# Altium PCB MotherBoard.PcbDoc (part 1 of 10) (continued)
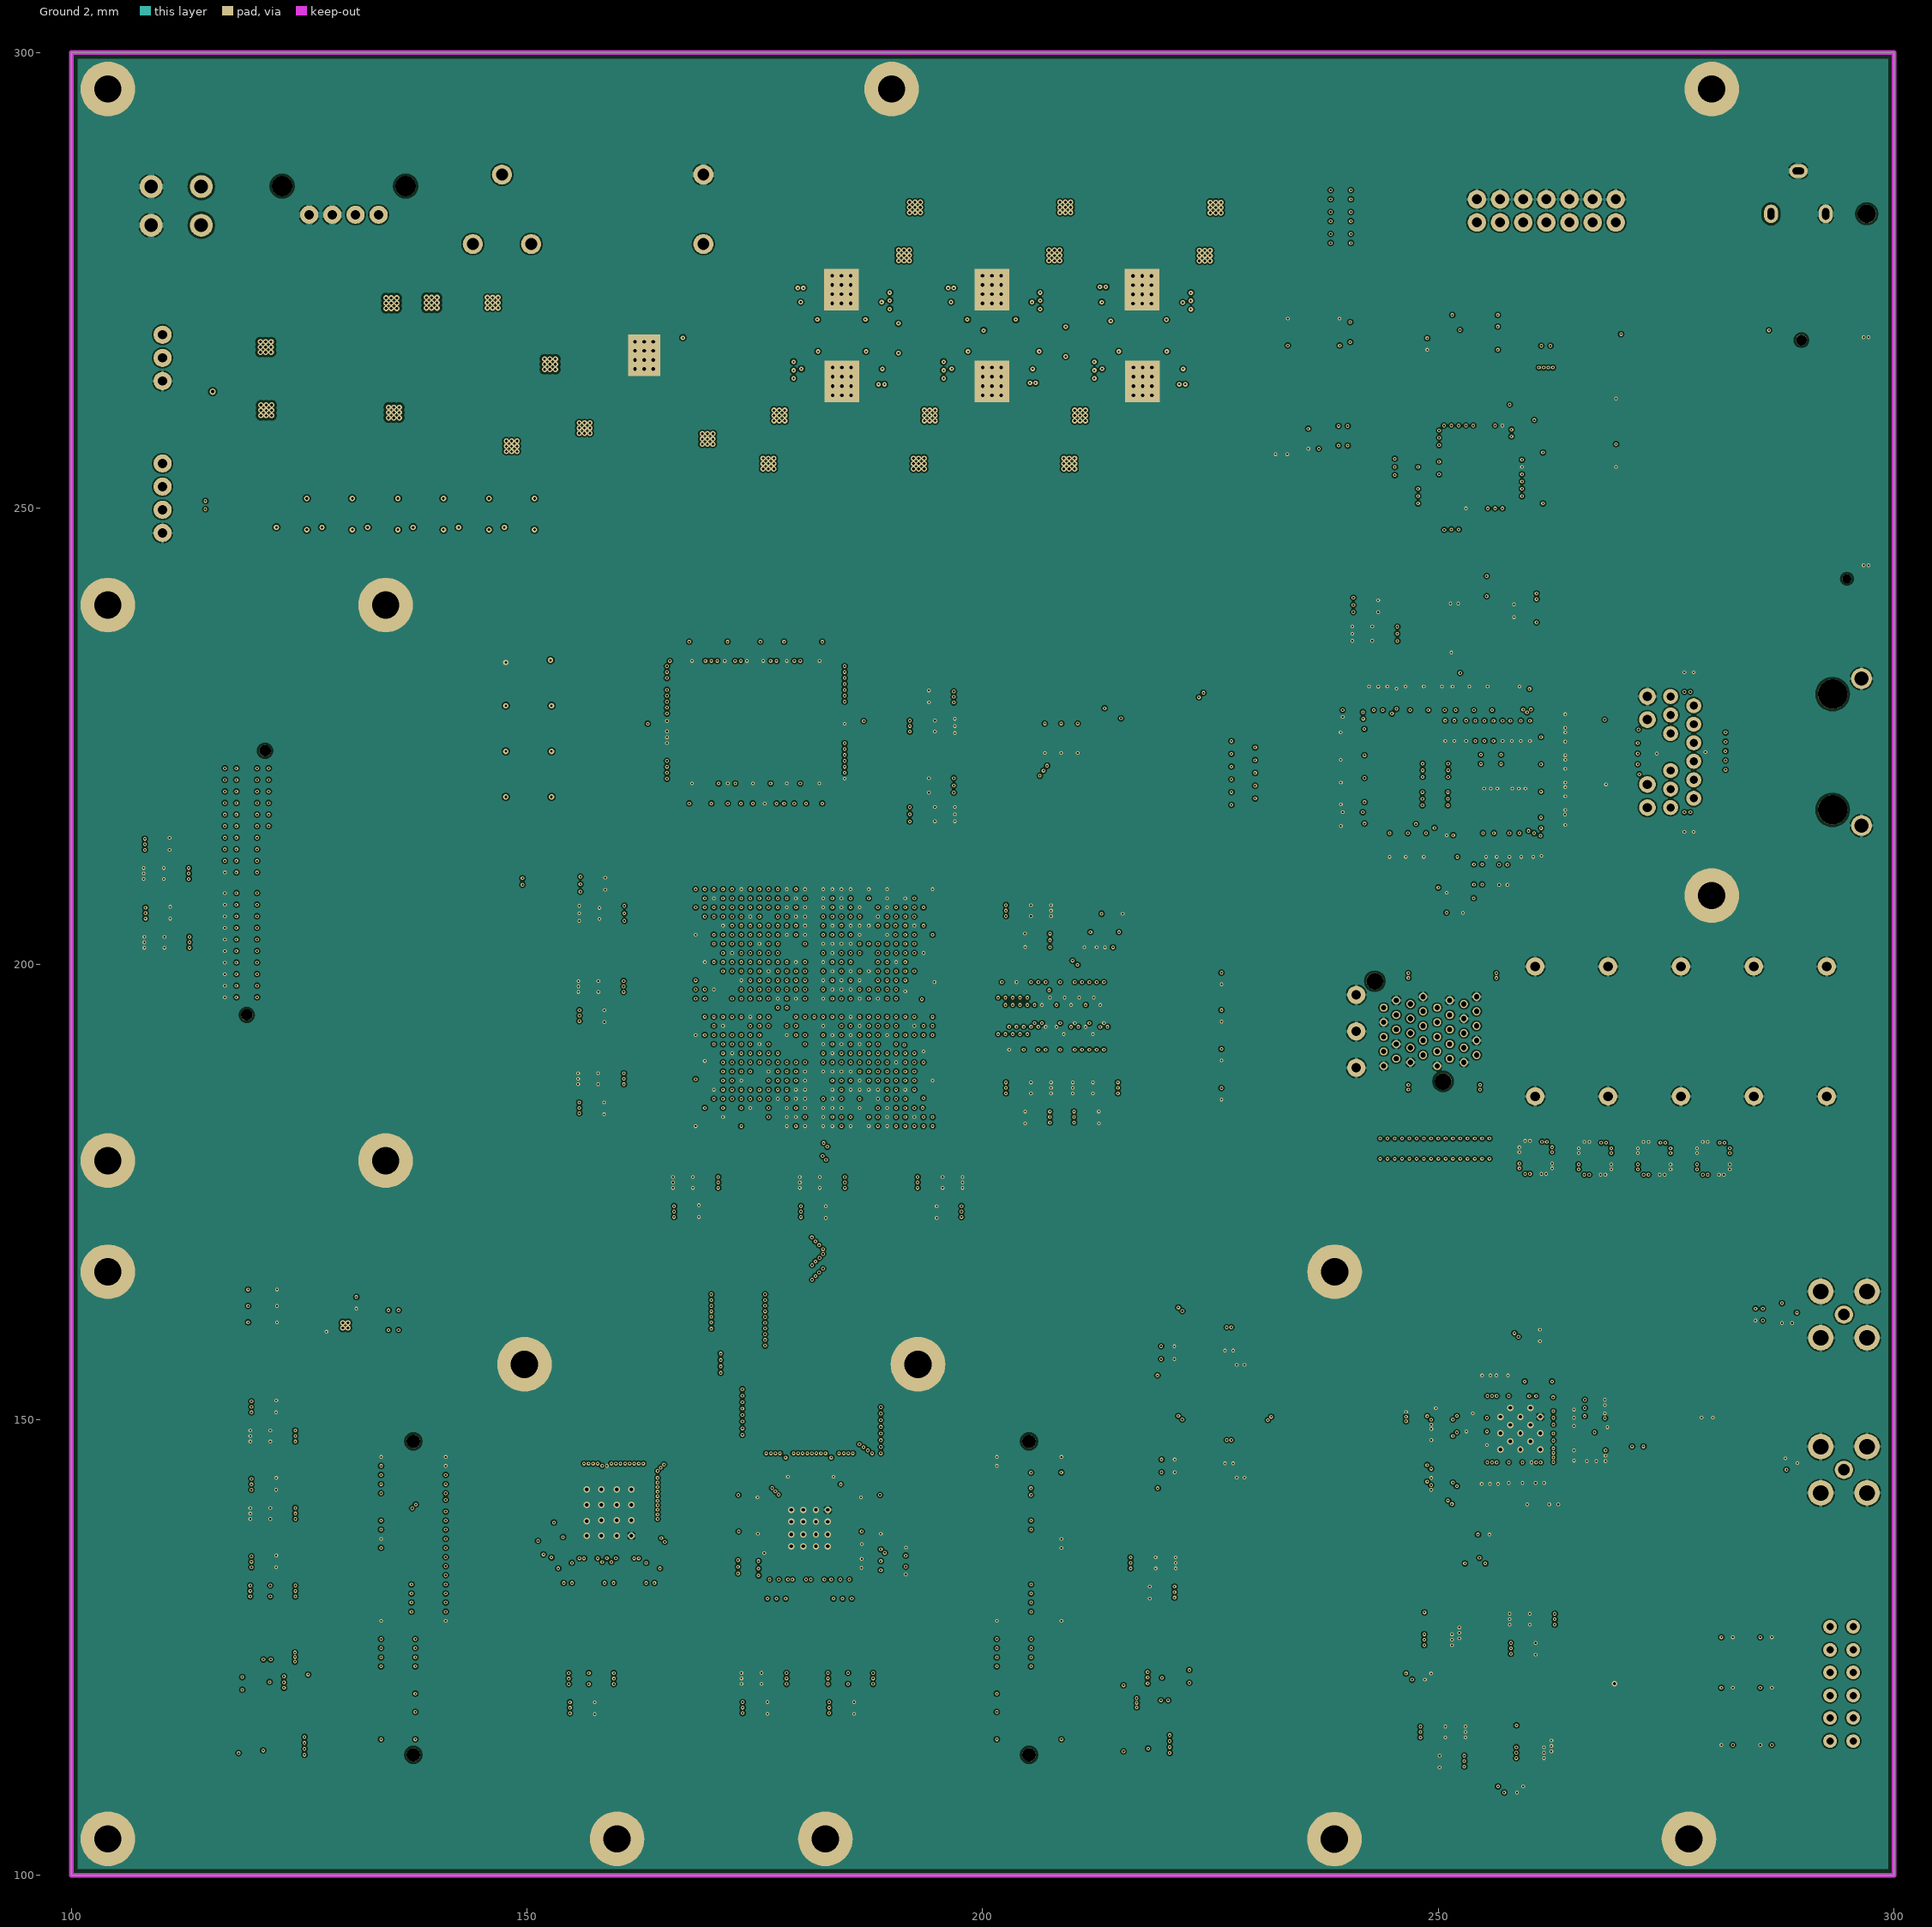
[diagram p7: Ground 2]

## Layer stack, top to bottom
Top Solder: solder mask 0.01, FSR-8000 BLUE, Dk 3.5
Top Layer: signal copper 0.018
Prepreg 1: prepreg 0.15, Dk 4.2
Ground: signal copper 0.018
Core 1: core 0.25, FR-4 18/18, Dk 4.6
Signal Layer 1: signal copper 0.018
Prepreg 2: prepreg 0.15, Dk 4.2
Power: signal copper 0.018
Core 2: core 0.25, FR-4 18/18, Dk 4.6
Power 2: signal copper 0.018
Prepreg 3: prepreg 0.15, Dk 4.2
Signal Layer 2: signal copper 0.018
Core 3: core 0.25, FR-4 18/18, Dk 4.6
Ground 2: signal copper 0.018
Prepreg 4: prepreg 0.15, Dk 4.2
Bottom Layer: signal copper 0.018
Bottom Solder: solder mask 0.01, FSR-8000 BLUE, Dk 3.5

## Board outline
100,100 100,300 300,300 300,100

## Design rules (kind name [scope] priority, off if disabled: settings)
Clearance Not_Plated_Pad [(PadIsPlated = 'false') And OnMultiLayer] p1: gap=0.25
Clearance HV [InNetClass('HV')] p2: gap=0.25
Clearance [All] p3: gap=0.1 except(0.15: Arc-Poly Track-Poly SMDPad-Poly THPad-Poly Via-Poly Fill-Poly Poly-Poly)
DiffPairsRouting [All] p1: maxlimit=0.2 minlimit=0.1 mostfreqgap=0.12 toplayer_maxgap=0.15 toplayer_prefgap=0.1 toplayer_minwidth=0.1 toplayer_maxwidth=0.25 toplayer_prefwidth=0.15 midlayer1_minwidth=0.1 midlayer1_maxwidth=0.25 midlayer1_prefwidth=0.13 midlayer2_minwidth=0.1 midlayer2_maxwidth=0.25 midlayer2_prefwidth=0.13 midlayer3_minwidth=0.1 midlayer3_maxwidth=0.25 midlayer3_prefwidth=0.13 midlayer4_maxgap=0.15 midlayer4_prefgap=0.1 midlayer4_minwidth=0.1 midlayer4_maxwidth=0.25 midlayer4_prefwidth=0.15 midlayer5_maxgap=0.15 midlayer5_prefgap=0.1 midlayer5_minwidth=0.1 midlayer5_maxwidth=0.25 midlayer5_prefwidth=0.15 midlayer6_minwidth=0.1 midlayer6_maxwidth=0.25 midlayer6_prefwidth=0.13 bottomlayer_maxgap=0.15 bottomlayer_prefgap=0.1 bottomlayer_minwidth=0.1 bottomlayer_maxwidth=0.25 bottomlayer_prefwidth=0.15 maxuncoupledlength=6
FanoutControl Fanout_Default [All] p5: bgadir=In bgaviamode=Closest fanoutstyle=Auto fanoutdirection=Alternating viagrid=0.025 // Fanout_Default (Default Rule)
HoleSize [All] p1: absolutevalues=TRUE maxlimit=3.5 minlimit=0.025 maxpercent=80.000 minpercent=20.000
MinimumSolderMaskSliver [All] p1: minsoldermaskwidth=0.15
PlaneConnect [All] p1: planeconnectstyle=Relief reliefexpansion=0.508 reliefentries=4 reliefconductorwidth=0.254 reliefairgap=0.15
PolygonConnect "Step_Down Converters" [InPadClass('Termopad')] p1: connectstyle=Direct reliefconductorwidth=0.254 reliefentries=4 polygonreliefangle="90 Angle" airgapwidth=0
PolygonConnect GND_TOP_BOTTOM [InPolygonClass('Shield')] p2: connectstyle=Relief reliefconductorwidth=0 reliefentries=4 polygonreliefangle="90 Angle" airgapwidth=0.15
PolygonConnect Via [IsVia] p3: connectstyle=Direct reliefconductorwidth=0.254 reliefentries=4 polygonreliefangle="90 Angle" airgapwidth=0.254
PolygonConnect RAM_GND [InComponent('RAM1')] p4: connectstyle=Relief reliefconductorwidth=0.18 reliefentries=4 polygonreliefangle="45 Angle" airgapwidth=0.15
PolygonConnect FPGA_GND [InComponent('FPGA1')] p5: connectstyle=Relief reliefconductorwidth=0.18 reliefentries=4 polygonreliefangle="45 Angle" airgapwidth=0.15
PolygonConnect Power_Poly_1210 [(HasFootprint('C1206') OR HasFootprint('C1210') OR HasFootprint('2x2 PWR_HDR') OR HasFootprint('Coilcraft MSS1038') OR HasFootprint('Coilcraft MSS1048') OR HasFootprint('DC_CONNECTOR') OR HasFootprint('Diode_SMC') OR HasFootprint('Fuse') OR HasFootprint('G6RL') OR HasFootprint('H-DAC 64') OR HasFootprint('L1206_Murata') OR HasFootprint('L1210_Murata') OR HasFootprint('L1210_Murata LQH') OR HasFootprint('Tantalum_D')OR HasFootprint('XAL6060-223'))] p6: connectstyle=Relief reliefconductorwidth=0.72 reliefentries=4 polygonreliefangle="90 Angle" airgapwidth=0.15
PolygonConnect SFP_VCC [InPolygonClass('SFP_VCC')] p7: connectstyle=Direct reliefconductorwidth=0.254 reliefentries=4 polygonreliefangle="90 Angle" airgapwidth=0.254
PolygonConnect [(HasFootprint('R0402') OR HasFootprint('R0402_Switch') OR HasFootprint('С0402'))] p8: connectstyle=Relief reliefconductorwidth=0.254 reliefentries=4 polygonreliefangle="90 Angle" airgapwidth=0.15
PolygonConnect Power_Poly [All] p9: connectstyle=Relief reliefconductorwidth=0.35 reliefentries=4 polygonreliefangle="90 Angle" airgapwidth=0.15
RoutingVias Power_Via [InNetClass('Power')] p1: holewidth=0.2 width=0.5 viastyle="Through Hole" minholewidth=0.2 minwidth=0.4 maxholewidth=1.5 maxwidth=3.5
RoutingVias [All] p2: holewidth=0.2 width=0.5 viastyle="Through Hole" minholewidth=0.2 minwidth=0.4 maxholewidth=0.5 maxwidth=0.8
SilkToSilkClearance [All] p1: silktosilkclearance=0.1
SilkToSolderMaskClearance [IsPad] p1: minsilkscreentomaskgap=0 clearancetoexposedcopper=TRUE
SolderMaskExpansion [All] p1: expansion=0.025
Width "Schematic Width Constraint_4" [InComponent('J1')] p1: maxlimit=1.5 minlimit=0.254 preferedwidth=0.254 midlayer5_maxwidth=0.5 midlayer6_maxwidth=0.5 minimp=50.000000 maximp=50.000000 favimp=50.000000
Width "Schematic Width Constraint_3" [InComponent('J2')] p2: maxlimit=1.5 minlimit=0.254 preferedwidth=0.254 midlayer5_maxwidth=0.5 midlayer6_maxwidth=0.5 minimp=50.000000 maximp=50.000000 favimp=50.000000
Width "Schematic Width Constraint_1" [InComponent('J4')] p3: maxlimit=1.5 minlimit=0.254 preferedwidth=0.254 midlayer5_maxwidth=0.5 midlayer6_maxwidth=0.5 minimp=50.000000 maximp=50.000000 favimp=50.000000
Width Power_W [InNetClass('Power')] p4: maxlimit=3.5 minlimit=0.15 preferedwidth=0.35 minimp=50.000000 maximp=50.000000 favimp=50.000000
Width [All] p5: maxlimit=0.25 minlimit=0.1 preferedwidth=0.15 minimp=50.000000 maximp=50.000000 favimp=50.000000
23 further rules are at their usual default settings.

## Classes and differential pairs
net class HV: NetC1_2 NetC2_1 NetC12_1 NetD1_1 V_UNREG
polygon class SFP_VCC: SFP_VCC
polygon class Shield: GND_BOTTOM GND_TOP
net class Power: 1V0 1V0_FPGA 1V2 1V8 1V8_AUX 1V8_ETH 1V8_ETH_A 1V8_FPGA 2V5 2V5_ETH 2V5_ETH_A 3V3 3V3_GPIO 3V3_MGT 3V3_SFP+_CLK 5V 5V_EXT 5V_GPIO 5V_RX 5V_TX AGND_ADC AGND_RX AGND_TX AVDD_3V3 AVDD_ADC AVDD_RX AVDD_TX DVDD_ADC DVDD_CLK DVDD_FPGA DVDD_RAM DVDD_RX DVDD_TX GND GND_XADC MGTAVCC_G10 MGTAVCC_G11 MGTAVTT_G10 MGTAVTT_G11 NetC1_2 NetC2_1 NetC5_1 NetC8_1 NetC9_2 NetC10_1 NetC11_1 NetC12_1 NetC14_1 NetC15_2 NetC16_2 NetC17_2 NetC25_1 NetC28_1 NetC29_2 NetC30_1 NetC30_2 NetC31_1 NetC32_1 NetC33_1 NetC34_1 NetC35_2 NetC36_2 NetC37_2 NetC48_2 NetC49_2 NetC54_1 NetC55_1 NetC63_1 NetC66_1 NetC67_2 NetC175_2 NetC176_2 NetC234_2 NetC235_2 NetC275_2 NetC425_1 NetD1_1 NetD4_1 NetIC1_2 NetIC1_4 NetIC1_8 NetIC1_16 NetIC2_1 NetIC2_2 NetIC2_4 NetIC2_8 NetIC3_1 NetIC3_4 NetIC3_5 NetIC4_2 NetIC4_4 NetIC4_8 NetIC4_16 NetIC5_1 NetIC5_2 NetIC5_4 NetIC5_8 NetIC7_1 NetIC7_2 NetIC7_4 NetIC7_8 NetIC7_16 NetIC8_2 NetIC8_4 NetIC8_8 NetIC17_58 NetIC17_62 NetPHY1_102 PG1V0 PG1V2 PG1V8 PG2V5 PG3V3 PG3V3_MGT SFP1_VCCRX SFP1_VCCTX SFP2_VCCRX SFP2_VCCTX SFP+_CLK_VCC V_UNREG VCC_XADC VREF0V9
pad class Termopad: C3-1 C3-2 C4-1 C4-2 C23-1 C23-2 C24-1 C24-2 C43-1 C43-2 C44-1 C44-2 IC1-6 IC1-8 IC1-10 IC1-15 IC1-17 IC2-6 IC2-8 IC2-10 IC2-15 IC2-17 IC3-6 IC3-9 IC4-6 IC4-8 IC4-10 IC4-15 IC4-17 IC5-6 IC5-8 IC5-10 IC5-15 IC5-17 IC6-3 IC7-6 IC7-8 IC7-10 IC7-15 IC7-17 IC8-6 IC8-8 IC8-10 IC8-15 IC8-17 IC19-3 L2-1 L3-1 L5-1 L6-1 L9-1 L10-1 M1-0 M2-0 M3-0 M4-0 M5-0 XC4-0 XC8-0
differential pair CLK_ADC: +CLK_ADC_P -CLK_ADC_N
differential pair ADC_CLK_OUT: +ADC_CLK_OUT_P -ADC_CLK_OUT_N
differential pair DDR_UDQS: +DDR_UDQS_P -DDR_UDQS_N
differential pair DDR_LDQS: +DDR_LDQS_P -DDR_LDQS_N
differential pair DDR_CK: +DDR_CK_P -DDR_CK_N
differential pair SFP2_TX: +SFP2_TX_P -SFP2_TX_N
differential pair SFP2_RX: +SFP2_RX_P -SFP2_RX_N
differential pair SFP1_TX: +SFP1_TX_P -SFP1_TX_N
differential pair SFP1_RX: +SFP1_RX_P -SFP1_RX_N
differential pair CLOCK_TX: +CLOCK_TX_P -CLOCK_TX_N
differential pair CLOCK_RX: +CLOCK_RX_P -CLOCK_RX_N
differential pair CLK_TEST: +CLK_TEST_P -CLK_TEST_N
differential pair CLK_FPGA: +CLK_FPGA_P -CLK_FPGA_N
differential pair MDIA: +MDIA_P -MDIA_N
differential pair MDIB: +MDIB_P -MDIB_N
differential pair MDIC: +MDIC_P -MDIC_N
differential pair MDID: +MDID_P -MDID_N
differential pair CLK_DAC: +CLK_DAC_P -CLK_DAC_N
differential pair VINA: +VINA_P -VINA_N
differential pair VINB: +VINB_P -VINB_N
differential pair IOUTA: +IOUTA_P -IOUTA_N
differential pair IOUTB: +IOUTB_P -IOUTB_N
differential pair CLK_125MHZ: +CLK_125MHZ_P -CLK_125MHZ_N
differential pair CLK_156.25MHZ: +CLK_156.25MHZ_P -CLK_156.25MHZ_N
differential pair CPRI_CLK_CLEAN: +CPRI_CLK_CLEAN_P -CPRI_CLK_CLEAN_N

## Components (designator, comment, footprint, x,y, rotation, side; value= is the part's Value field where it differs from the comment)
C1 "Cap" C0805 289.55,279.45 r180 bottom
C2 "Cap" C0805 111.5,278.05 r180 bottom
C3 "Cap" C0805 189.448,275.714 r90 top
C4 "Cap" C0805 179.6,262.2 r270 top
C5 "Cap" C0603 187.548,275.414 r270 bottom
C6 "Cap" C1210 187.248,278.614 r180 bottom
C7 "Cap" C1210 181.8,259.3 r0 bottom
C8 "Cap" C0603 181.5,262.5 r90 bottom
C9 "Cap" C0603 181.448,272.614 r270 bottom
C10 "Cap" C0603 187.6,265.3 r270 bottom
C11 "Cap" C0805 114.5,265.1 r270 bottom
C12 "Tantalum Cap" Tantalum_D 139.551,264.323 r270 bottom
C13 "Cap" C0805 112.5,265.1 r270 bottom
C14 "Cap" C0805 169.35,282.8 r90 bottom locked
C15 "Cap" C0603 185.248,270.714 r0 bottom
C16 "Cap" C0603 181.448,275.414 r270 bottom
C17 "Cap" C0603 187.6,262.5 r90 bottom
C18 "Cap" C1206 155.34,267.402 r90 bottom
C19 "Cap" C1210 187.248,281.714 r180 bottom
C20 "Cap" C1210 181.8,256.2 r0 bottom
C21 "Cap" C1206 157.753,267.402 r90 bottom
C22 "Cap" C1206 155.34,267.402 r90 top
C23 "Cap" C0805 196.1,262.2 r270 top
C24 "Cap" C0805 212.6,262.2 r90 top
C25 "Cap" C0603 198,262.5 r90 bottom
C26 "Cap" C1210 198.3,259.3 r0 bottom
C27 "Cap" C1210 214.8,259.3 r0 bottom
C28 "Cap" C0603 214.5,262.5 r90 bottom
C29 "Cap" C0805 164.103,259.782 r270 bottom
C30 "Cap" C0805 160.674,262.576 r180 top
C31 "Cap" C0603 204.1,265.3 r270 bottom
C32 "Cap" C0603 220.6,265.3 r270 bottom
C33 "Cap" C0603 200.3,267.2 r0 bottom
C34 "Cap" C1210 166.77,259.02 r90 bottom
C35 "Cap" C0603 204.1,262.5 r90 bottom
C36 "Cap" C0603 220.6,262.5 r90 bottom
C37 "Cap" C1210 146.325,266.75 r90 bottom
C38 "Cap" C1210 198.3,256.2 r180 bottom
C39 "Cap" C1210 214.8,256.2 r180 bottom
C40 "Cap" C0603 257.95,109.675 r0 bottom
C41 "Cap" C0603 195.45,230 r180 bottom
C42 "Cap" C0603 181.425,173.525 r0 bottom
C43 "Cap" C0805 205.948,275.714 r90 top
C44 "Cap" C0805 222.448,275.689 r90 top
C45 "Cap" C0603 257.95,109.675 r0 top
C46 "Cap" C0603 195.45,228.6 r180 bottom
C47 "Cap" C0603 181.425,172.125 r0 bottom
C48 "Cap" C0603 204.048,275.414 r90 bottom
C49 "Cap" C0603 220.548,275.389 r90 bottom
C50 "Cap" C1210 203.748,278.614 r180 bottom
C51 "Cap" C1210 220.248,278.589 r180 bottom
C52 "Cap" C0603 193.375,226.8 r0 bottom
C53 "Cap" C0603 183.5,176.725 r180 bottom
C54 "Cap" C0603 197.948,272.614 r90 bottom
C55 "Cap" C0603 214.448,272.589 r90 bottom
C56 "Cap" C0603 193.375,225.4 r0 bottom
C57 "Cap" C0603 183.5,175.325 r180 bottom
C58 "Cap" C1210 259.125,113.45 r0 bottom
C59 "Cap" C1210 194.475,226.1 r0 top
C60 "Cap" C1210 182.4,176.025 r180 top
C61 "Cap" C0603 195.45,218.875 r0 bottom
C62 "Cap" C0603 196.299,172.125 r0 bottom
C63 "Cap" C0603 218.248,270.689 r180 bottom
C64 "Cap" C0603 195.45,220.275 r0 bottom
C65 "Cap" C0603 196.299,173.525 r180 bottom
C66 "Cap" C0603 197.948,275.414 r90 bottom
C67 "Cap" C0603 214.448,275.389 r270 bottom
C68 "Cap" C0603 193.375,215.725 r0 bottom
C69 "Cap" C0603 194.224,175.325 r0 bottom
C70 "Cap" C1210 203.748,281.714 r0 bottom
C71 "Cap" C1210 220.248,281.689 r0 bottom
C72 "Cap" C0603 193.375,217.125 r0 bottom
C73 "Cap" C0603 194.224,176.725 r0 bottom
C74 "Cap" C1210 194.475,216.425 r0 top
C75 "Cap" C1210 195.324,176.025 r0 top
C76 "Cap" С0402 169.5,202.7 r0 bottom
C77 "Cap" С0402 174.5,207.7 r180 bottom
C78 "Cap" С0402 169.5,207.7 r0 bottom
C79 "Cap" С0402 177.5,203.7 r0 bottom
C80 "Cap" С0402 172.5,192.7 r180 bottom
C81 "Cap" С0402 179.5,202.7 r180 bottom
C82 "Cap" С0402 171.5,196.7 r180 bottom
C83 "Cap" С0402 170.5,193.7 r0 bottom
C84 "Cap" С0402 176.5,196.7 r0 bottom
C85 "Cap" С0402 169.5,186.7 r180 bottom
C86 "Cap" С0402 172.5,187.7 r180 bottom
C87 "Cap" С0402 176.5,190.7 r0 bottom
C88 "Cap" С0402 184.5,196.7 r180 bottom
C89 "Cap" С0402 182.5,192.7 r0 bottom
C90 "Cap" С0402 184.5,191.7 r180 bottom
C91 "Cap" С0402 182.5,200.7 r0 bottom
C92 "Cap" С0402 184.5,192.7 r180 bottom
C93 "Cap" С0402 184.5,197.7 r180 bottom
C94 "Cap" С0402 173.5,200.7 r0 bottom
C95 "Cap" С0402 173.5,205.7 r0 bottom
C96 "Cap" С0402 174.5,202.7 r0 bottom
C97 "Cap" С0402 178.5,200.7 r0 bottom
C98 "Cap" С0402 170.5,199.7 r180 bottom
C99 "Cap" С0402 185.5,201.7 r180 bottom
C100 "Cap" С0402 169.5,191.7 r180 bottom
C101 "Cap" С0402 170.5,204.7 r0 bottom
C102 "Cap" С0402 169.5,197.7 r0 bottom
C103 "Cap" С0402 179,195.2 r90 bottom
C104 "Cap" С0402 177.5,198.7 r180 bottom
C105 "Cap" С0402 179.5,191.7 r0 bottom
C106 "Cap" С0402 173.5,189.7 r0 bottom
C107 "Cap" С0402 175.5,193.7 r0 bottom
C108 "Cap" С0402 182.5,196.7 r180 bottom
C109 "Cap" С0402 182.5,198.7 r180 bottom
C110 "Cap" С0402 184.5,198.7 r0 bottom
C111 "Cap" С0402 184.5,190.7 r180 bottom
C112 "Cap" С0402 184.5,199.7 r0 bottom
C113 "Cap" С0402 182.5,190.7 r0 bottom
C114 "Cap" С0402 184.5,193.7 r180 bottom
C115 "Cap" С0402 179.5,186.7 r180 bottom
C116 "Cap" С0402 176.5,185.7 r180 bottom
C117 "Cap" С0402 170.5,183.7 r180 bottom
C118 "Cap" С0402 192.5,201.7 r180 bottom
C119 "Cap" С0402 189.5,200.7 r180 bottom
C120 "Cap" С0402 192.5,190.7 r180 bottom
C121 "Cap" С0402 188.5,192.7 r180 bottom
C122 "Cap" С0402 192.5,196.7 r0 bottom
C123 "Cap" С0402 189.5,189.7 r180 bottom
C124 "Cap" С0402 193.5,182.7 r0 bottom
C125 "Cap" С0402 191.5,183.7 r180 bottom
C126 "Cap" С0402 186.5,198.7 r180 bottom
C127 "Cap" С0402 186.5,190.7 r0 bottom
C128 "Cap" С0402 186.5,193.7 r0 bottom
C129 "Cap" С0402 182.5,193.7 r0 bottom
C130 "Cap" С0402 182.5,191.7 r0 bottom
C131 "Cap" С0402 171.5,185.7 r0 bottom
C132 "Cap" С0402 172.5,182.7 r0 bottom
C133 "Cap" С0402 177,184.175 r270 bottom
C134 "Cap" С0402 191.5,204.7 r180 bottom
C135 "Cap" С0402 193.5,203.7 r0 bottom
C136 "Cap" С0402 192.5,206.7 r180 bottom
C137 "Cap" С0402 193.5,198.7 r180 bottom
C138 "Cap" С0402 191.5,193.7 r180 bottom
C139 "Cap" С0402 193.5,192.7 r0 bottom
C140 "Cap" С0402 188.5,198.7 r0 bottom
C141 "Cap" С0402 193.5,187.7 r180 bottom
C142 "Cap" С0402 190.5,186.7 r180 bottom
C143 "Cap" С0402 192.5,185.7 r0 bottom
C144 "Cap" С0402 186.5,196.7 r0 bottom
C145 "Cap" С0402 186.5,192.7 r180 bottom
C146 "Cap" С0402 182.5,197.7 r0 bottom
C147 "Cap" С0402 182.5,199.7 r0 bottom
C148 "Cap" C0603 167.5,173.525 r0 bottom
C149 "Cap" C0603 205.999,182.5 r180 bottom
C150 "Cap" C0603 205.999,201.95 r180 bottom
C151 "Cap" C0603 157.125,195.025 r0 bottom
C152 "Cap" C0603 211.414,183.9 r180 bottom
C153 "Cap" С0402 214.2,205.505 r180 bottom
C154 "Cap" C0603 167.5,172.125 r0 bottom
C155 "Cap" C0603 205.999,183.9 r180 bottom
C156 "Cap" C0603 205.999,203.35 r180 bottom
C157 "Cap" C0603 157.125,193.625 r0 bottom
C158 "Cap" C0603 211.414,182.5 r0 bottom
C159 "Cap" C0603 169.575,176.725 r180 bottom
C160 "Cap" C0603 203.924,185.7 r0 bottom
C161 "Cap" C0603 203.924,205.25 r0 bottom
C162 "Cap" C0603 159.2,198.225 r180 bottom
C163 "Cap" C0603 213.464,187.1 r180 bottom
C164 "Cap" C0603 182.8,195 r0 bottom
C165 "Cap" C0603 169.575,175.325 r180 bottom
C166 "Cap" C0603 203.924,187.1 r0 bottom
C167 "Cap" C0603 203.924,206.45 r0 bottom
C168 "Cap" C0603 159.2,196.825 r180 bottom
C169 "Cap" C0603 213.464,185.7 r180 bottom
C170 "Cap" C1210 168.475,176.025 r0 top
C171 "Cap" C1210 205.024,186.4 r0 top
C172 "Cap" C1210 205.024,205.85 r180 top
C173 "Cap" C1210 158.1,197.525 r0 top
C174 "Cap" C1210 212.364,186.4 r180 top
C175 "Cap" C1210 255.775,218.675 r270 bottom
C176 "Cap" C1210 258.825,218.675 r270 bottom
C177 "Cap" C0603 258.9,213.05 r90 bottom
C178 "Cap" C0603 242.05,240.075 r0 bottom
C179 "Cap" С0402 250.9,206.7 r90 bottom
C180 "Cap" C0603 242.047,238.675 r0 bottom
C181 "Cap" С0402 252.7,206.7 r270 bottom
C182 "Cap" C0603 244.122,236.875 r180 bottom
C184 "Cap" C0603 244.122,235.475 r180 bottom
C186 "Cap" C1210 243.022,236.175 r180 top
C188 "Cap" C0603 259.6,238.05 r180 bottom
C189 "Cap" C0603 259.6,239.45 r0 bottom
C190 "Cap" C0603 256.3,213.05 r90 bottom
C191 "Cap" C0603 255,213.05 r270 bottom
C192 "Cap" C0603 246.65,213.05 r270 bottom
C193 "Cap" C0603 248.65,213.05 r270 bottom
C194 "Cap" C0603 240.6,215.156 r180 bottom
C195 "Cap" C0603 244.65,213.05 r270 bottom
C196 "Cap" C0603 240.6,222.65 r0 bottom
C197 "Cap" C0603 240.575,217.75 r180 bottom
C198 "Cap" C0603 244.15,229.15 r90 bottom
C199 "Cap" C0603 240.6,220.15 r0 bottom
C200 "Cap" С0402 272.9,223.244 r0 bottom
C201 "Cap" C0603 248.65,229.15 r90 bottom
C202 "Cap" C0603 240.57,225.65 r0 bottom
C203 "Cap" С0402 280.4,223.344 r180 bottom
C204 "Cap" C0603 251.775,229.15 r90 bottom
C205 "Cap" C0603 242.65,229.15 r90 bottom
C206 "Cap" C0603 255.65,229.15 r90 bottom
C207 "Cap" C0603 246.65,229.15 r90 bottom
C208 "Cap" C0603 250.5,229.15 r90 bottom
C209 "Cap" C0603 262.6,224.65 r0 bottom
C210 "Cap" C0603 253.65,229.15 r90 bottom
C211 "Cap" C0603 262.6,222.15 r0 bottom
C212 "Cap" C0603 259.15,229.15 r90 bottom
C213 "Cap" C0603 262.6,219.15 r0 bottom
C214 "Cap" C0603 262.575,216.3 r0 bottom
C215 "Cap" C0603 260.2,213.05 r270 bottom
C216 "Cap" C0603 262.6,215.006 r0 bottom
C217 "Cap" C0603 257.6,213.05 r270 bottom
C218 "Cap" С0402 277,230.9 r90 bottom
C219 "Cap" С0402 278,230.9 r90 bottom
C220 "Cap" С0402 278,215.6 r270 bottom
C221 "Cap" С0402 277,215.6 r270 bottom
C222 "Cap" C0603 219.675,130.375 r180 bottom
C223 "Cap" C0603 121.125,152.1 r0 bottom
C224 "Cap" C0603 219.675,131.775 r180 bottom
C225 "Cap" C0603 121.125,150.7 r0 bottom
C226 "Cap" C0603 217.6,133.575 r0 bottom
C227 "Cap" C0603 123.2,148.9 r180 bottom
C228 "Cap" C0603 217.6,134.975 r0 bottom
C229 "Cap" C0603 123.2,147.5 r180 bottom
C230 "Cap" C1210 218.7,134.275 r0 top
C231 "Cap" C1210 122.1,148.2 r180 top
C232 "Cap" C0603 216.75,120.95 r0 bottom
C233 "Cap" C0603 124.675,121.925 r180 bottom
C234 "Cap" C0603 221.675,121.7 r90 bottom
C235 "Cap" C0603 119.75,121.175 r270 bottom
C236 "Cap" C0603 216.75,122.2 r0 bottom
C237 "Cap" C0603 124.675,120.675 r180 bottom
C238 "Cap" C0603 216.8,113.75 r180 bottom
C239 "Cap" C0603 119.7,113.55 r0 bottom
C240 "Cap" C0603 175.025,119.1 r0 bottom
C241 "Cap" C0603 121.125,143.6 r0 bottom
C242 "Cap" C0603 175.025,117.7 r0 bottom
C243 "Cap" C0603 121.125,142.2 r0 bottom
C244 "Cap" C0603 177.1,120.9 r180 bottom
C245 "Cap" C0603 123.2,140.4 r180 bottom
C246 "Cap" C0603 177.1,122.3 r180 bottom
C247 "Cap" C0603 123.2,139 r180 bottom
C248 "Cap" C1210 176,121.6 r180 top
C249 "Cap" C1210 122.1,139.7 r180 top
C250 "Cap" C0603 184.525,117.7 r0 bottom
C251 "Cap" C0603 121.125,135.1 r0 bottom
C252 "Cap" C0603 184.525,119.1 r0 bottom
C253 "Cap" C0603 121.125,133.7 r0 bottom
C254 "Cap" C0603 186.6,120.9 r180 bottom
C255 "Cap" C0603 123.2,131.9 r180 bottom
C256 "Cap" C0603 186.6,122.3 r180 bottom
C257 "Cap" C0603 123.2,130.5 r180 bottom
C258 "Cap" C1210 185.5,121.6 r180 top
C259 "Cap" C1210 122.1,131.2 r180 top
C260 "Cap" C0603 233.425,257.3 r90 top
C261 "Cap" C0603 239.15,269.325 r90 bottom
C262 "Cap" C0603 232.125,257.3 r90 top
C263 "Cap" С0402 287.7,161.725 r90 bottom locked
C264 "Cap" С0402 263.8,146.4 r0 bottom
C265 "Cap" С0402 254.75,144.125 r90 bottom
C266 "Cap" С0402 255.65,144.125 r270 bottom
C267 "Cap" С0402 256.55,144.125 r90 bottom
C268 "Cap" С0402 257.725,144.125 r270 bottom
C269 "Cap" С0402 259.225,144.125 r90 bottom
C270 "Cap" С0402 260.675,144.125 r270 bottom
C271 "Cap" С0402 261.6,144.125 r90 bottom
C272 "Cap" С0402 263.8,145.5 r0 bottom
C273 "Cap" С0402 263.8,150.2 r180 bottom
C274 "Cap" С0402 263.8,151.1 r0 bottom
C275 "Cap" С0402 263.8,149.3 r180 bottom
C276 "Cap" С0402 257.5,153.775 r270 bottom
C277 "Cap" С0402 256.6,153.775 r270 bottom
C278 "Cap" С0402 255.7,153.775 r90 bottom
C279 "Cap" С0402 254.8,153.775 r270 bottom
C280 "Cap" С0402 254.15,150.2 r0 bottom
C281 "Cap" С0402 254.15,148.7 r0 bottom
C282 "Cap" С0402 285.675,143.25 r0 top
C283 "Cap" C0603 259.3,125.6 r0 bottom
C284 "Cap" C0603 247.825,122.15 r0 bottom
C285 "Cap" C0603 259.3,124.2 r0 bottom
C286 "Cap" C0603 247.825,122.15 r0 top
C287 "Cap" C0603 261.4,128.8 r180 bottom
C288 "Cap" С0402 259.975,159.675 r0 top
C289 "Cap" С0402 259.975,158.775 r0 top
C290 "Cap" C0603 261.4,127.4 r180 bottom
C291 "Cap" С0402 250.4,142.5 r0 top
C292 "Cap" С0402 250.4,143.4 r0 top
C293 "Cap" С0402 250.408,147.9 r0 top